# Altium PCB RevA2.PcbDoc (part 5 of 6) (continued)
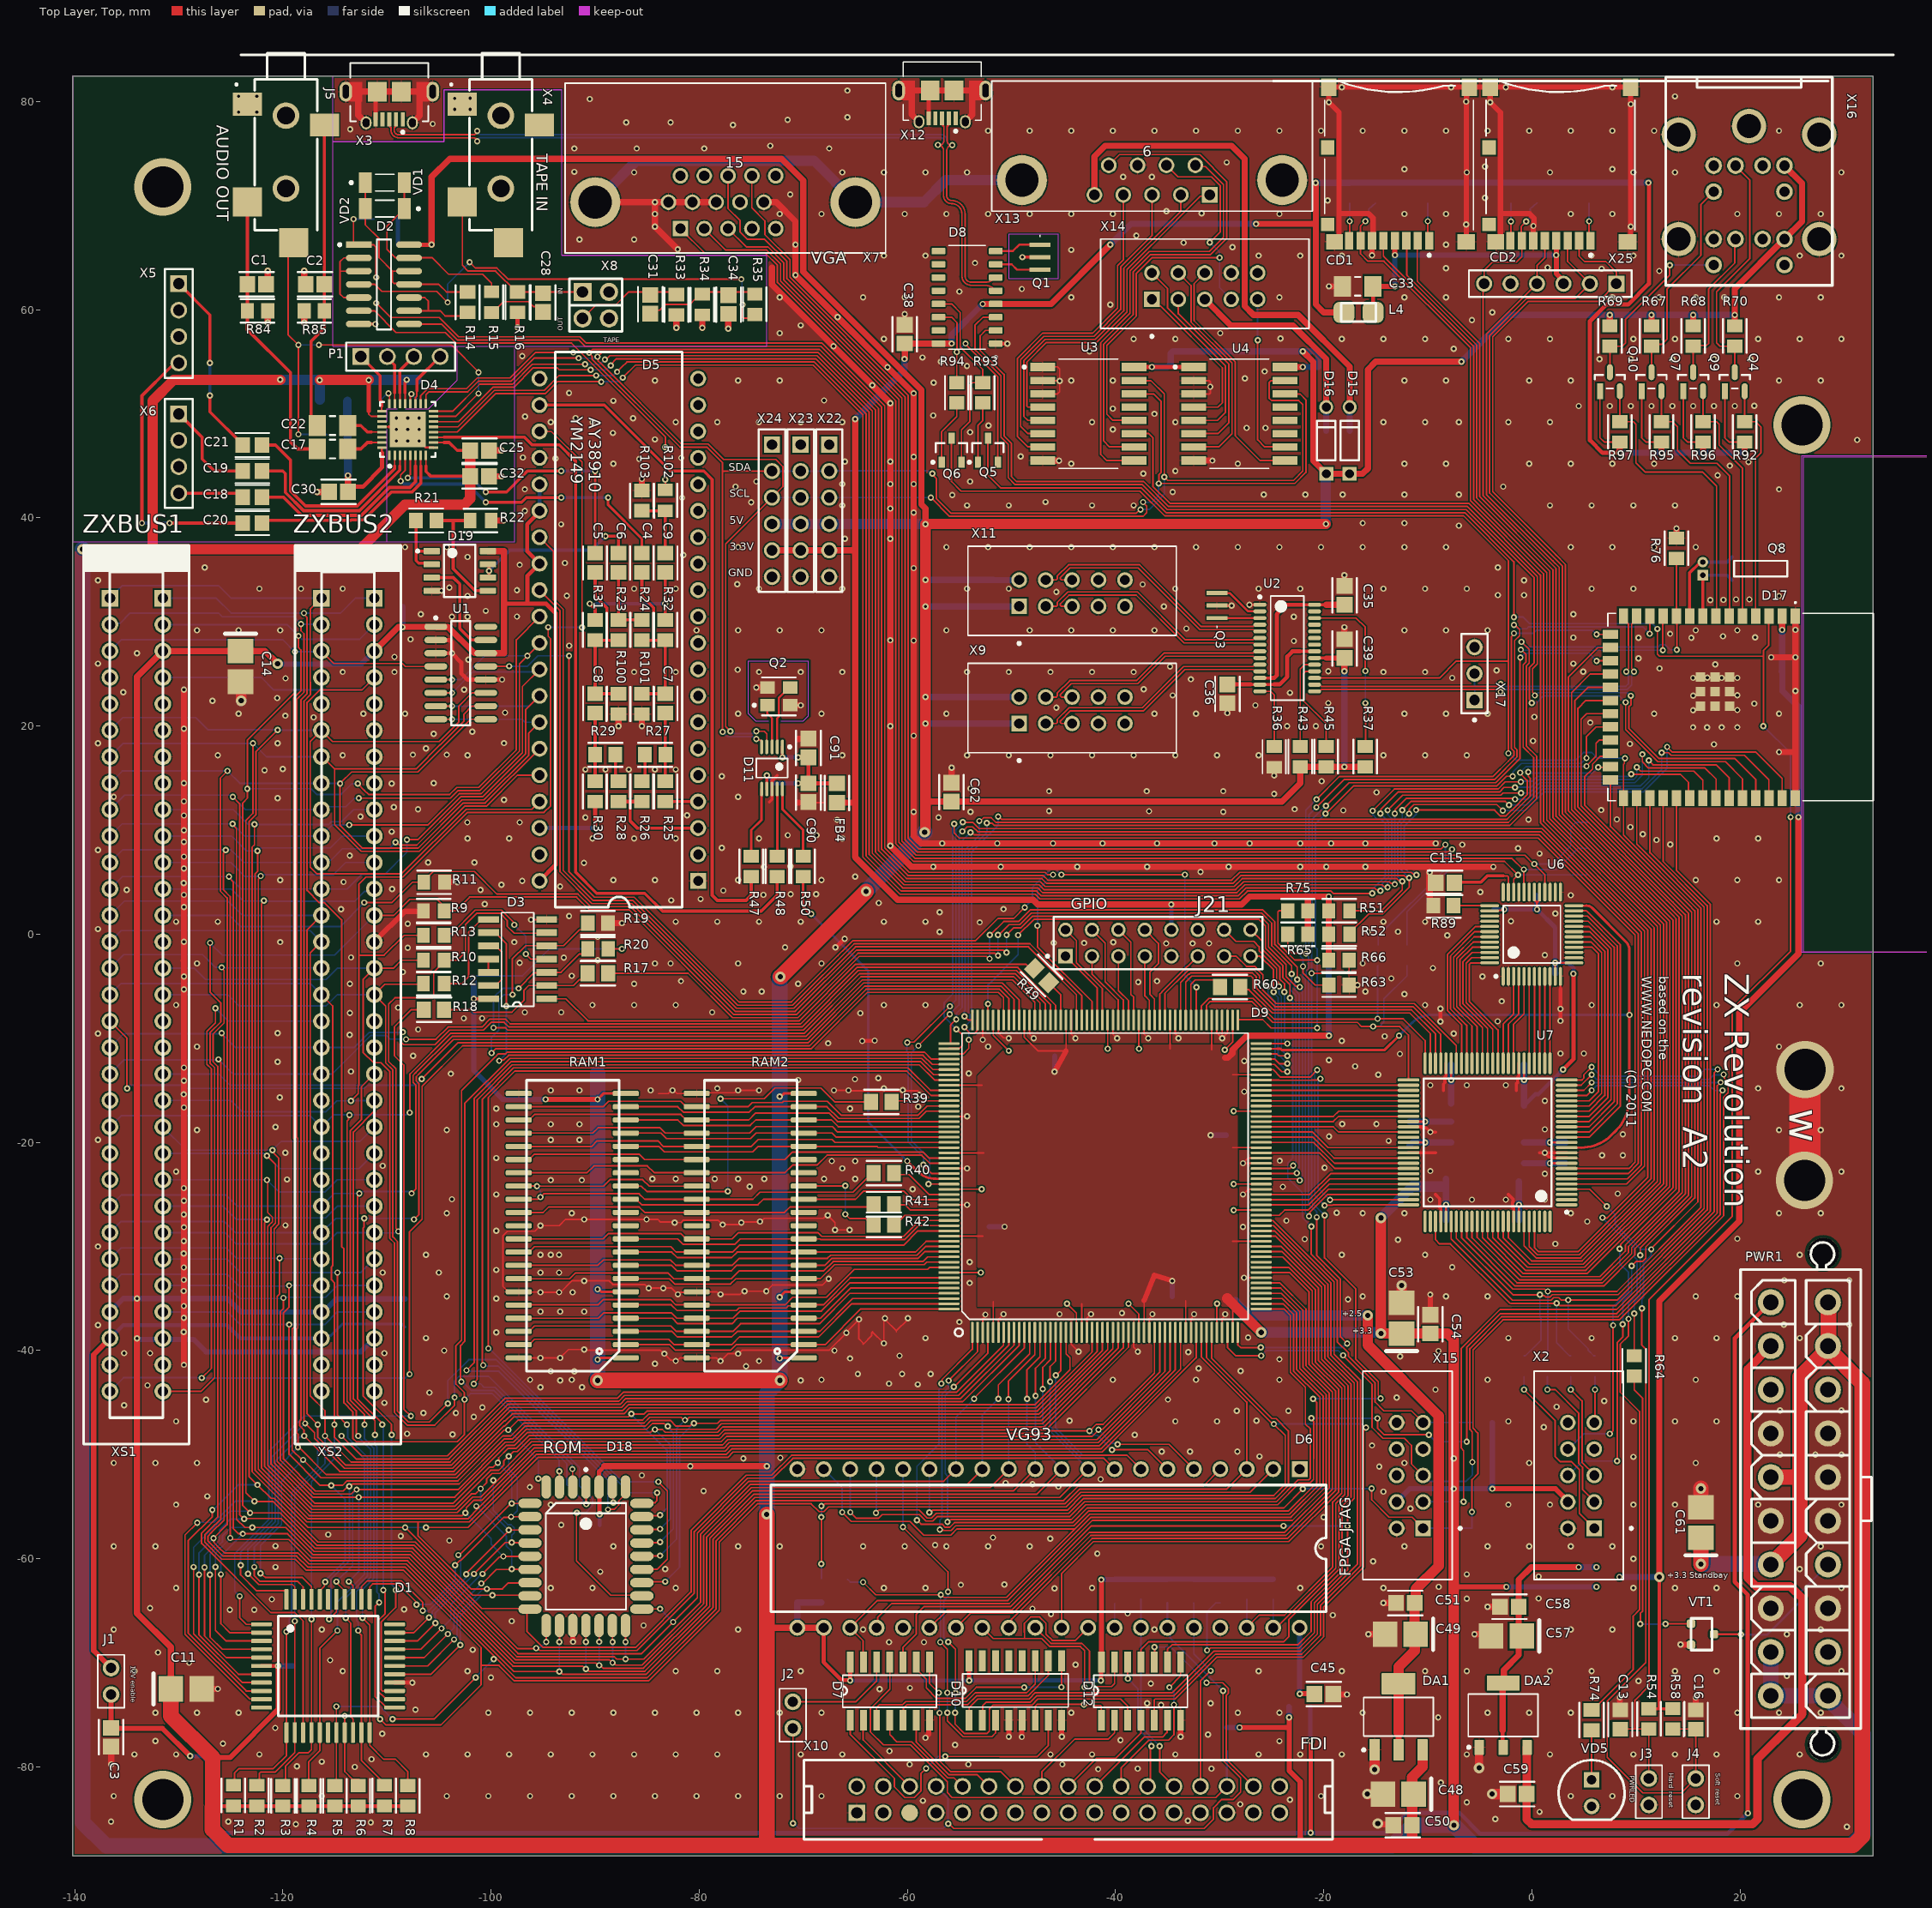
[diagram p0: Top Layer, Top view]
## Nets (pads, with @x,y where several pads share a name; then routed paths per layer and width w, separated by ;. In a path a pad name is that pad's centre, name@x,y a point inside that pad or via, vN(x,y) a via of type N, cw(c..) or ccw(c..) an arc to the next point about the centre after c; other vN are vias at no path point) (continued)
NetU2_22: U2.22
NetU2_23: U2.23
NetU2_24: U2.24
NetU2_25: U2.25
NetU2_27: U2.27
NetU4_11: U4.11
NetU4_12: U4.12
NetVD5_A: R74.2 VD5.A | length 4.8
  Top Layer, Top w0.15: VD5.A@5.75,-81.25 R74.2@5.75,-76.5
NetX2_7: X2.7
NetX9_9: X9.9
NetX9_10: X9.10
NetX11_9: X11.9
NetX11_10: X11.10
NetX14_10: X14.10
NetX15_6: X15.6
NetX15_7: X15.7
NetX15_8: X15.8
OUT_B_13: R86.2 U6.28 X7.3 | length 139.5
  Top Layer, Top w0.15: X7.3@-77.222,67.792 -75.47,66.04 -73.392,66.04 -71.875,64.523 -71.875,62.87 -60.516,51.511 -60.516,8.965 -59.15,7.6 -0.668,7.6 0.182,6.75 v2(0.245,6.75) 1.246,5.749 U6.28@1.246,4.137
  Bottom Layer, Bottom w0.15: v2(0.245,6.75) 2,6.75 3.75,8.5 3.75,10.255 4.245,10.75 R86.2@5.355,10.75
OUT_G_13: R87.2 U6.32 X7.2 | length 139.2
  Top Layer, Top w0.15: X7.2@-79.512,67.792 -77.46,65.74 -73.516,65.74 -72.175,64.399 -72.175,62.746 -60.816,51.387 -60.816,8.841 -59.275,7.3 -1.927,7.3 -0.852,6.225 v2(-0.764,6.225) ; v2@-0.757,6.218 -0.757,4.148 U6.32@-0.75,4.141
  Bottom Layer, Bottom w0.15: v2(-0.764,6.225) 2.404,6.225 4.429,8.25 R87.2@5.355,8.25
OUT_R_13: R88.2 U6.34 X7.1 | length 140.5
  Top Layer, Top w0.15: X7.1@-81.802,67.792 -79.45,65.44 -73.641,65.44 -72.475,64.275 -72.475,62.622 -61.116,51.263 -61.116,8.717 -59.399,7 -2.623,7 v2@-1.332,5.71 ; U6.34@-1.754,4.137 -1.731,4.16 -1.731,5.297 -1.332,5.695 v2@-1.332,5.71 ; v2(-1.325,5.702) v2@-1.332,5.71
  Bottom Layer, Bottom w0.15: v2(-1.325,5.702) -1.323,5.7 1.829,5.7 1.831,5.702 5.353,5.702 R88.2@5.355,5.7
P\R\G\R\S\T\_11: C13.2 D17.3 J3.0 Q5.3 R54.2 | length 211.7
  Top Layer, Top w0.15: Q5.3@-52.25,47.65 -52.25,44.088 -51.048,42.886 -37.533,42.886 -35.15,40.503 -6.433,40.503 -1.722,35.793 v1(-1.722,30.468) ; C13.2@8.5,-76.363 9.913,-76.363 ; J3.0@11.246,-81.113 R54.2@11.246,-76.364 9.913,-76.363 ; v1(12.063,29.335) 12.063,26.913 12.262,26.714 22.25,26.714 ; v1(22.25,20) 22.25,26.714 ; D17.3@22.782,30.575 22.75,30.543 22.75,27.75 22.25,27.25 22.25,26.714 ; v1(24.862,11.25) 24.862,-1.638 19.25,-7.25 19.25,-27.126 11.25,-35.126 11.25,-72.25 9.913,-73.587 9.913,-76.363
  Bottom Layer, Bottom w0.15: v1(-1.722,30.468) -0.826,30.468 -0.199,29.841 11.557,29.841 v1(12.063,29.335) ; v1(22.25,20) 24.862,17.388 v1(24.862,11.25)
PS2_KEYB_CLK_11: D17.6 Q7.2 R95.2 | length 26.4
  Top Layer, Top w0.15: Q7.2@12.45,52.18 R95.2@12.45,49.251 13.5,49.25 14,48.75 14,46.5 15.25,45.25 17.8,45.25 19,44.05 19,30.603 D17.6@18.972,30.575
PS2_KEYB_DAT_11: D17.4 Q4.2 R92.2 | length 23.1
  Top Layer, Top w0.15: Q4.2@20.45,52.18 R92.2@20.45,49.251 21.5,49.25 22,48.75 22,46.25 21.5,45.75 21.5,30.587 D17.4@21.512,30.575
PS2_MOUS_CLK_11: D17.7 Q10.2 R97.2 | length 29.5
  Top Layer, Top w0.15: Q10.2@8.45,52.18 R97.2@8.45,49.251 9.75,49.25 10,49 10,45.3 10.885,44.415 16.385,44.415 17.75,43.05 17.75,30.623 D17.7@17.702,30.575
PS2_MOUS_DAT_11: D17.5 Q9.2 R96.2 | length 23.9
  Top Layer, Top w0.15: Q9.2@16.45,52.18 R96.2@16.45,49.251 17.75,49.25 18,49 18,47 20.25,44.75 20.25,30.583 D17.5@20.242,30.575
PWRGOOD_2: PWR1.8
R\D\_1: D1.18 D6.4 D9.141 R5.2 XS1.B18 XS2.B18 | length 290.5
  Top Layer, Top w0.15: v1(-125.875,-9.499) -125.875,-9.587 -125.65,-9.812 -125.65,-56.279 -126.875,-57.504 -127.188,-57.816 -127.188,-58.3 -125.75,-59.738 -118.673,-59.738 -117.611,-60.8 -108.258,-60.8 -99.744,-69.314 ; R5.2@-115,-81.798 -114.85,-81.648 v1(-114.85,-74.2) ; v1(-109.45,-75.4) -105.463,-75.4 v1(-101.475,-71.411) ; v1(-108.459,-9.401) -108.459,-9.485 -108.688,-9.714 -108.688,-10.308 -108.381,-10.615 -105.39,-10.615 -103.988,-9.213 -100.738,-9.213 -99.979,-8.454 -98.733,-8.454 -98.274,-8.913 -70.134,-8.913 -64.704,-3.483 -49.514,-3.483 -46.25,-6.748 D9.141@-46.25,-8.25 ; v1(-99.744,-69.632) -99.744,-69.314 ; D6.4@-29.95,-51.4 -29.95,-51.41 -31.558,-53.018 -43.582,-53.018 -44.977,-54.413 -74.519,-54.413 -78.374,-58.268 -78.374,-64.817 -84.992,-71.436 -97.622,-71.436 -99.744,-69.314
  Bottom Layer, Bottom w0.15: XS1.B18@-136.985,-11.265 -135.267,-9.547 -125.923,-9.547 v1(-125.875,-9.499) ; v1@-125.875,-9.547 -124.532,-10.89 XS2.B18@-116.29,-10.89 -113.154,-10.89 -111.689,-9.425 -108.483,-9.425 v1(-108.459,-9.401) ; v1(-114.85,-74.2) -110.65,-74.2 v1(-109.45,-75.4) ; v1(-101.475,-71.411) -101.475,-71.387 -99.744,-69.656 v1(-99.744,-69.632)
R\D\A\T\_5: D7.11 R44.1 X10.30 | length 48.9
  Top Layer, Top w0.15: D7.11@-61.75,-69.862 D7.11@-61.68,-69.932 -61.68,-72.536 -63.55,-74.406 -63.55,-76.634 -62.303,-77.881 -61.129,-77.881 -61.124,-77.886 -59.698,-77.886 -56.16,-81.424 -56.16,-82.47 -55.685,-82.945 -30.37,-82.945 -29.573,-82.148 X10.30@-29.115,-82.148
  Bottom Layer, Bottom w0.2: X10.30@-29.295,-81.87 R44.1@-29.295,-78.5
R\D\A\T\_\B\: D7.10 R46.2 | length 111.1
  Top Layer, Top w0.15: D7.10@-60.41,-69.932 -60.41,-68.5 -59.15,-67.24 -59.15,-65.353 -58.403,-64.606 -50.079,-64.606 -49.973,-64.5 -42.316,-56.843 v1(-23.858,-56.843) ; v1(-31.204,-68.792) -31.082,-68.792 -30.857,-68.567 -22.356,-68.567 -20.898,-67.109 -20.898,-64.258 -17.704,-61.065 v1(-17.704,-56.881) -17.704,-54.826 -17.059,-54.181 -17.059,-43.121 -19.595,-40.586 -19.595,-33.63 -24.725,-28.5 -26,-28.5
  Bottom Layer, Bottom w0.15: v1(-31.204,-68.792) -31.204,-65.075 -30.609,-64.48 -30.379,-64.25 R46.2@-29.93,-64.25 ; v1(-23.858,-56.843) -23.839,-56.862 -17.723,-56.862 v1(-17.704,-56.881)
R\D\A\T\_\B\_1: D9.68
R\D\R\O\M\_1: D18.22 R10.1 XS1.A15 XS2.A15 | length 114.9
  Top Layer, Top w0.15: R10.1@-106.5,-2.5 -108.616,-2.5 -109.386,-3.27 XS2.A15@-111.21,-3.27 -112.285,-4.345 -112.285,-11.335 -111.274,-12.346 -110.565,-12.346 -109.73,-13.181 -109.73,-29.206 -109.275,-29.662 -109.275,-45.952 -108.062,-47.165 -105.402,-47.165 -103.5,-45.263 v1(-103.5,-44.5) ; v1(-91.75,-55.581) -91.789,-55.62 -91.789,-60.211 -88.5,-63.5 D18.22@-85.15,-63.5
  Bottom Layer, Bottom w0.15: XS1.A15@-131.53,-3.27 -128.5,-3.27 -127.425,-4.345 -115.845,-4.345 -114.77,-3.27 XS2.A15@-111.21,-3.27 ; v1(-103.5,-44.5) -103.5,-42.907 -103.067,-42.475 -100.245,-42.475 -91.5,-51.22 -91.5,-53 -90.25,-54.25 -90.25,-54.9 -90.931,-55.581 v1(-91.75,-55.581)
R\E\S\_1: D1.23 D5.23 R13.2 XS1.A20 XS2.A20 | length 174.1
  Top Layer, Top w0.15: v1(-113.45,-16) -112.75,-15.3 -112.75,-14.545 -112.698,-14.494 -112.698,-2.052 ; XS2.A20@-111.21,-15.97 -111.215,-15.975 -111.215,-16.995 -113.225,-19.004 -113.225,-44.649 -111.15,-46.724 v1(-111.15,-48.1) ; v1(-110.75,-64.2) -111.138,-64.588 -111.138,-73.212 -110.05,-74.3 D1.23@-109.25,-74.3 D1.23@-109.237,-74.312 ; R13.2@-106.644,-0.1 -108.35,-0.1 -110.265,-2.015 -112.662,-2.015 -112.698,-2.052 ; D5.23@-95.335,48.305 -94.195,48.305 -91.247,45.358 v1(-91.247,29.479) ; v1(-94.51,29.499) -94.51,28.627 -94.266,28.383 -94.266,12.348 -94.905,11.708 -102.265,11.708 -108.473,5.5 -112,5.5 -112.698,4.802 -112.698,-2.052
  Bottom Layer, Bottom w0.15: XS1.A20@-131.53,-15.97 -124.994,-15.97 -123.919,-17.045 -115.845,-17.045 -114.8,-16 v1(-113.45,-16) -113.435,-15.985 -111.225,-15.985 XS2.A20@-111.21,-15.97 ; v1(-111.15,-48.1) -111.15,-49.051 -110.963,-49.238 -110.963,-63.199 -110.75,-63.413 v1(-110.75,-64.2) ; v1(-94.51,29.499) -94.5,29.489 -91.257,29.489 v1(-91.247,29.479)
R\F\S\H\_1: D1.25 D9.147 XS1.B25 XS2.B25 | length 157.9
  Top Layer, Top w0.15: v1(-112.186,-27.287) -112.186,-28.126 -112.285,-28.224 -112.285,-44.355 -109.55,-47.09 v1(-109.55,-48.1) ; D1.25@-109.25,-72.7 -110.45,-72.7 -110.538,-72.612 -110.538,-66.057 -109.15,-64.669 v1(-109.15,-63) ; v1(-107.389,-27.392) -106.922,-26.925 -106.922,-14.366 -107.175,-14.114 -107.175,-13.679 -106.922,-13.426 -106.922,-13.421 -103.615,-10.113 -69.637,-10.113 -64.207,-4.683 -50.886,-4.683 -49.25,-6.32 D9.147@-49.25,-8.25
  Bottom Layer, Bottom w0.15: XS1.B25@-136.838,-28.898 -135.535,-27.595 -125.655,-27.595 -124.58,-28.67 XS2.B25@-116.29,-28.67 -114.907,-27.287 -107.617,-27.287 -107.511,-27.392 v1(-107.389,-27.392) ; v1(-109.55,-48.1) -109.55,-62.485 -109.15,-62.885 v1(-109.15,-63)
R\L\C\A\S\_1: R41.2 RAM1.31 RAM2.31 | length 34.7
  Top Layer, Top w0.15: RAM1.31@-97.337,-26.73 -94.98,-26.73 -94.455,-26.205 -85.759,-26.205 -85.234,-26.73 RAM2.31@-80.237,-26.73 -71.795,-26.73 -71.27,-26.205 -64.304,-26.205 -63.837,-26.205 -63.65,-26.018 R41.2@-63.65,-25.7
R\O\M\O\E\_1: D9.167 D18.24 | length 102.7
  Top Layer, Top w0.15: v1(-100.25,-39.8) -100.25,-15.684 -97.707,-13.141 -60.058,-13.141 -57.7,-15.5 D9.167@-56,-15.5 ; D18.24@-85.505,-61.03 -85.475,-61 -84,-61 -83.05,-60.05 -83.05,-53.488 v1(-83.925,-52.613)
  Bottom Layer, Bottom w0.15: v1(-100.25,-39.8) -100.145,-39.8 -87.331,-52.613 v1(-83.925,-52.613)
R\O\M\P\G\0\_1: D3.9 D9.161 | length 57.5
  Top Layer, Top w0.15: D3.9@-100.238,0.15 -99.563,0.15 -98.529,-0.883 v1(-98.529,-6.895) ; v1(-99.213,-12.156) -99.127,-12.07 -98.908,-12.07 -98.901,-12.062 -98.749,-12.062 -98.313,-11.626 -58.484,-11.626 -57.61,-12.5 D9.161@-56,-12.5
  Bottom Layer, Bottom w0.15: v1(-99.213,-12.156) -98.529,-11.472 v1(-98.529,-6.895)
R\O\M\W\E\_1: D9.166 D18.31 | length 93.5
  Top Layer, Top w0.15: v1(-100.75,-41.4) -100.825,-41.325 -100.825,-15.835 -97.832,-12.841 -59.934,-12.841 -57.776,-15 D9.166@-56,-15 ; D18.31@-88.31,-52.842 -88.282,-52.87 -88.282,-54.585 v1(-88.254,-54.613)
  Bottom Layer, Bottom w0.15: v1(-100.75,-41.4) -100.668,-41.482 -99.311,-41.482 -88.254,-52.539 v1(-88.254,-54.613)
R\R\A\S\0\_1: R42.2 RAM2.14 | length 9.7
  Top Layer, Top w0.15: RAM2.14@-69.95,-24.19 -69.937,-24.177 -65.973,-24.177 v1(-65.96,-24.164) ; v1(-65.95,-26.9) -65.525,-27.325 -64,-27.325 -63.65,-27.675 R42.2@-63.65,-28
  Bottom Layer, Bottom w0.15: v1(-65.96,-24.164) -65.955,-24.17 -65.955,-26.895 v1(-65.95,-26.9)
R\R\A\S\1\_1: R39.2 RAM1.14 | length 34.4
  Top Layer, Top w0.15: RAM1.14@-87.05,-24.19 -87.04,-24.2 -85.55,-24.2 -85.035,-24.715 -77.265,-24.715 v1(-77.25,-24.7) ; v1(-77.95,-15.8) -73.756,-15.8 -72.731,-14.775 -68.31,-14.775 -66.985,-16.1 R39.2@-63.75,-16.1
  Bottom Layer, Bottom w0.15: v1(-77.95,-15.8) -77.25,-16.5 v1(-77.25,-24.7)
R\U\C\A\S\_1: R40.2 RAM1.29 RAM1.30 RAM2.29 RAM2.30 | length 54.3
  Top Layer, Top w0.15: RAM1.30@-97.337,-25.46 -95.46,-25.46 v1(-95.25,-25.25) -94.935,-24.935 -85.759,-24.935 -85.234,-25.46 RAM2.30@-80.237,-25.46 -74.834,-25.46 -74.149,-24.775 -65.2,-24.775 -63.65,-23.225 R40.2@-63.65,-22.9 ; RAM1.29@-97.337,-24.19 -97.332,-24.195 -95.255,-24.195 -95.25,-24.2 -89.2,-24.2 -88.575,-23.575 -85.425,-23.575 -84.8,-24.2 -80.25,-24.2 RAM2.29@-80.136,-24.086
  Bottom Layer, Bottom w0.15: v1(-95.591,-24.202) -95.591,-24.262 -95.25,-24.603 v1(-95.25,-25.25)
R\W\E\_1: D9.187 RAM1.13 RAM2.13 | length 32.2
  Top Layer, Top w0.15: RAM1.13@-87.05,-25.46 -86.05,-25.46 -85.525,-25.985 -74.346,-25.985 -73.821,-25.46 RAM2.13@-69.95,-25.46 -64.974,-25.46 -64.189,-24.675 -60.361,-24.675 -59.536,-25.5 D9.187@-56,-25.5
RA0: D9.177 RAM1.17 RAM2.17 | length 31.5
  Top Layer, Top w0.15: RAM1.17@-87.05,-20.38 -87.03,-20.4 -83.85,-20.4 -83.345,-20.905 -74.855,-20.905 -74.35,-20.4 -69.97,-20.4 RAM2.17@-69.95,-20.38 -69.93,-20.4 -62.902,-20.4 -62.802,-20.5 D9.177@-56,-20.5
RA1: D9.175 RAM1.18 RAM2.18 | length 31.7
  Top Layer, Top w0.15: RAM1.18@-87.05,-19.11 -87.04,-19.1 -83.674,-19.1 -83.139,-19.635 -75.061,-19.635 -74.526,-19.1 -69.96,-19.1 RAM2.18@-69.95,-19.11 -69.94,-19.1 -67.22,-19.1 -66.82,-19.5 D9.175@-56,-19.5
RA2: D9.173 RAM1.19 RAM2.19 | length 31.8
  Top Layer, Top w0.15: RAM1.19@-87.05,-17.84 -82.052,-17.84 -81.527,-18.365 -75.091,-18.365 -74.566,-17.84 RAM2.19@-69.95,-17.84 -67.291,-17.84 -66.631,-18.5 D9.173@-56,-18.5
RA3: D9.170 RAM1.20 RAM2.20 | length 32.2
  Top Layer, Top w0.15: RAM1.20@-87.05,-16.57 -82.052,-16.57 -81.527,-17.095 -75.178,-17.095 -74.653,-16.57 RAM2.20@-69.95,-16.57 -67.713,-16.57 -66.583,-17.7 -58.859,-17.7 -58.159,-17 D9.170@-56,-17
RA4: D9.169 RAM1.23 RAM2.23 | length 42.9
  Top Layer, Top w0.15: RAM1.23@-97.337,-16.57 -89.226,-16.57 -88.701,-16.045 -81.762,-16.045 -81.237,-16.57 RAM2.23@-80.237,-16.57 -75.307,-16.57 -74.912,-16.175 -72.016,-16.175 -71.886,-16.045 -67.676,-16.045 -66.321,-17.4 -58.983,-17.4 -58.083,-16.5 D9.169@-56,-16.5
RA5: D9.172 RAM1.24 RAM2.24 | length 42.4
  Top Layer, Top w0.15: RAM1.24@-97.337,-17.84 -96.337,-17.84 -95.812,-17.315 -81.762,-17.315 -81.237,-17.84 RAM2.24@-80.237,-17.84 -75.235,-17.84 -74.564,-17.169 -67.538,-17.169 -66.707,-18 D9.172@-56,-18
RA6: D9.174 RAM1.25 RAM2.25 | length 42.2
  Top Layer, Top w0.15: RAM1.25@-97.337,-19.11 -97.327,-19.1 -90.223,-19.1 -89.708,-18.585 -83.765,-18.585 -83.25,-19.1 -80.247,-19.1 RAM2.25@-80.237,-19.11 -80.227,-19.1 -75.13,-19.1 -74.512,-18.482 -67.202,-18.482 -66.684,-19 D9.174@-56,-19
RA7: D9.176 RAM1.26 RAM2.26 | length 42.2
  Top Layer, Top w0.15: RAM1.26@-97.337,-20.38 -97.317,-20.4 -90.341,-20.4 -89.796,-19.855 -83.971,-19.855 -83.426,-20.4 -80.257,-20.4 RAM2.26@-80.237,-20.38 -80.217,-20.4 -75.024,-20.4 -74.336,-19.711 -67.225,-19.711 -66.936,-20 D9.176@-56,-20
RA8: D9.179 RAM1.27 RAM2.27 | length 42.3
  Top Layer, Top w0.15: RAM1.27@-97.337,-21.65 -96.337,-21.65 -95.812,-21.125 -85.759,-21.125 -85.234,-21.65 RAM2.27@-80.237,-21.65 -71.765,-21.65 -71.04,-20.925 -58.487,-20.925 -57.912,-21.5 D9.179@-56,-21.5
RA9: D9.180 RAM1.28 RAM2.28 | length 42.9
  Top Layer, Top w0.15: RAM1.28@-97.337,-22.92 -97.317,-22.9 -90.756,-22.9 -90.111,-22.255 -84.982,-22.255 -84.337,-22.9 -80.257,-22.9 RAM2.28@-80.237,-22.92 -80.217,-22.9 -71.745,-22.9 -71.02,-22.175 -68.659,-22.175 -67.709,-21.225 -58.612,-21.225 -57.837,-22 D9.180@-56,-22
RD0: D9.208 RAM1.2 RAM2.2 | length 32.9
  Top Layer, Top w0.15: RAM1.2@-87.05,-39.43 -82.82,-39.43 -82.295,-39.955 -76.97,-39.955 -76.445,-39.43 RAM2.2@-69.95,-39.43 -67.893,-39.43 -64.463,-36 D9.208@-56,-36
RD1: D9.206 RAM1.3 RAM2.3 | length 32.8
  Top Layer, Top w0.15: RAM1.3@-87.05,-38.16 -82.614,-38.16 -82.089,-38.685 -76.868,-38.685 -76.343,-38.16 RAM2.3@-69.95,-38.16 -68.41,-38.16 -65.25,-35 D9.206@-56,-35
RD2: D9.204 RAM1.4 RAM2.4 | length 32.7
  Top Layer, Top w0.15: RAM1.4@-87.05,-36.89 -87.04,-36.9 -82.574,-36.9 -82.059,-37.415 -76.848,-37.415 -76.333,-36.9 -69.96,-36.9 RAM2.4@-69.95,-36.89 -69.94,-36.9 -68.35,-36.9 -65.45,-34 D9.204@-56,-34
RD3: D9.202 RAM1.5 RAM2.5 | length 32.6
  Top Layer, Top w0.15: RAM1.5@-87.05,-35.62 -87.03,-35.6 -82.674,-35.6 -82.129,-36.145 -76.426,-36.145 -76.181,-35.9 -71.621,-35.9 -71.425,-35.703 -70.033,-35.703 RAM2.5@-69.95,-35.62 -69.93,-35.6 -68.074,-35.6 -65.474,-33 D9.202@-56,-33
RD4: D9.199 RAM1.7 RAM2.7 | length 32.1
  Top Layer, Top w0.15: RAM1.7@-87.05,-33.08 -87.03,-33.1 -82.85,-33.1 -82.345,-33.605 -76.985,-33.605 -76.48,-33.1 -69.97,-33.1 RAM2.7@-69.95,-33.08 -68.343,-33.08 -67.003,-31.74 -58.369,-31.74 -58.129,-31.5 D9.199@-56,-31.5
RD5: D9.197 RAM1.8 RAM2.8 | length 32
  Top Layer, Top w0.15: RAM1.8@-87.05,-31.81 -87.04,-31.8 -82.674,-31.8 -82.139,-32.335 -76.898,-32.335 -76.363,-31.8 -69.96,-31.8 RAM2.8@-69.95,-31.81 ; RAM2.8@-69.95,-31.8 -67.912,-31.8 -67.252,-31.14 -58.969,-31.14 -58.329,-30.5 D9.197@-56,-30.5
RD6: D9.195 RAM1.9 RAM2.9 | length 31.9
  Top Layer, Top w0.15: RAM1.9@-87.05,-30.54 -82.634,-30.54 -82.109,-31.065 -76.878,-31.065 -76.353,-30.54 RAM2.9@-69.95,-30.54 -59.223,-30.54 -58.183,-29.5 D9.195@-56,-29.5
RD7: D9.192 RAM1.10 RAM2.10 | length 31.9
  Top Layer, Top w0.15: RAM1.10@-87.05,-29.27 -82.052,-29.27 -81.527,-29.795 -76.587,-29.795 -76.062,-29.27 RAM2.10@-69.95,-29.27 ; RAM2.10@-69.89,-29.27 -68.404,-29.27 -68.349,-29.325 -60.237,-29.325 -58.912,-28 D9.192@-56.05,-28
RD8: D9.191 RAM1.33 RAM2.33 | length 42.8
  Top Layer, Top w0.15: RAM1.33@-97.337,-29.27 -89.226,-29.27 -88.701,-28.745 -81.762,-28.745 -81.237,-29.27 RAM2.33@-80.237,-29.27 -76.838,-29.27 -76.247,-28.679 -68.571,-28.679 -68.225,-29.025 -60.361,-29.025 -58.836,-27.5 D9.191@-56,-27.5
RD9: D9.193 RAM1.34 RAM2.34 | length 42.6
  Top Layer, Top w0.15: RAM1.34@-97.337,-30.54 -96.337,-30.54 -95.812,-30.015 -82.735,-30.015 -82.21,-30.54 RAM2.34@-80.237,-30.54 -76.777,-30.54 -76.118,-29.881 -60.369,-29.881 -58.987,-28.5 D9.193@-56,-28.5
RD10: D9.196 RAM1.35 RAM2.35 | length 42.5
  Top Layer, Top w0.15: RAM1.35@-97.337,-31.81 -97.327,-31.8 -89.723,-31.8 -89.208,-31.285 -82.765,-31.285 -82.25,-31.8 -80.247,-31.8 RAM2.35@-80.237,-31.81 -80.227,-31.8 -76.787,-31.8 -76.126,-31.139 -67.675,-31.139 -67.376,-30.84 -59.093,-30.84 -58.253,-30 D9.196@-56,-30
RD11: D9.198 RAM1.36 RAM2.36 | length 42.7
  Top Layer, Top w0.15: RAM1.36@-97.337,-33.08 -97.317,-33.1 -92.452,-33.1 -91.907,-32.555 -82.971,-32.555 -82.426,-33.1 -80.257,-33.1 RAM2.36@-80.237,-33.08 ; RAM2.36@-80.217,-33.1 -76.905,-33.1 -76.14,-32.335 -68.022,-32.335 -67.127,-31.44 -58.493,-31.44 -58.053,-31 D9.198@-56,-31
RD12: D9.200 RAM1.38 RAM2.38 | length 43.3
  Top Layer, Top w0.15: RAM1.38@-97.337,-35.62 -97.317,-35.6 -89.713,-35.6 -89.208,-35.095 -82.755,-35.095 -82.25,-35.6 -80.257,-35.6 RAM2.38@-80.237,-35.62 -80.217,-35.6 -71.745,-35.6 -71.02,-34.875 -67.773,-34.875 -65.098,-32.2 -58.053,-32.2 -57.853,-32 D9.200@-56,-32
RD13: D9.203 RAM1.39 RAM2.39 | length 43.2
  Top Layer, Top w0.15: RAM1.39@-97.337,-36.89 -97.327,-36.9 -89.693,-36.9 -89.158,-36.365 -82.685,-36.365 -82.15,-36.9 -80.247,-36.9 RAM2.39@-80.237,-36.89 -80.227,-36.9 -76.757,-36.9 -76.057,-36.2 -68.25,-36.2 -65.55,-33.5 D9.203@-56,-33.5
RD14: D9.205 RAM1.40 RAM2.40 | length 43.3
  Top Layer, Top w0.15: RAM1.40@-97.337,-38.16 -96.337,-38.16 -95.812,-37.635 -82.715,-37.635 -82.19,-38.16 RAM2.40@-80.237,-38.16 -76.767,-38.16 -76.022,-37.415 -68.441,-37.415 -65.526,-34.5 D9.205@-56,-34.5
RD15: D9.207 RAM1.41 RAM2.41 | length 43.4
  Top Layer, Top w0.15: RAM1.41@-97.337,-39.43 -96.337,-39.43 -95.812,-38.905 -82.921,-38.905 -82.396,-39.43 RAM2.41@-80.237,-39.43 -76.87,-39.43 -76.125,-38.685 -68.511,-38.685 -65.326,-35.5 D9.207@-56,-35.5
RES_1: D3.3 D9.142 R20.1 | length 71.8
  Top Layer, Top w0.15: v1(-99.762,-8.979) -98.632,-8.979 -98.398,-9.213 -70.01,-9.213 -64.58,-3.783 -49.639,-3.783 -46.75,-6.672 D9.142@-46.75,-8.25 ; v1(-97.35,-5.2) -95.85,-3.7 -94.69,-3.7 D3.3@-94.65,-3.66 -93.26,-3.66 -91.492,-1.892 -91.28,-1.892 -91.144,-1.756 R20.1@-91.144,-1.4
  Bottom Layer, Bottom w0.15: v1(-99.762,-8.979) -99.762,-6.097 -98.865,-5.2 v1(-97.35,-5.2)
RI_TTL: D8.11
right_ch1_3: C5.1 C8.2 R23.2 R31.1 R100.1 | length 16.6
  Top Layer, Top w0.3: C5.1@-90,34.75 -90,32.5 -88.875,31.375 -88.875,28.25 ; R100.1@-87.75,23.102 C8.2@-90,23.102 R31.1@-90,28.25 -88.875,28.25 ; R23.2@-87.75,28.25 -88.875,28.25
right_ch2_3: C18.2 D4.6 | length 19.4
  Top Layer, Top w0.15: -107.25,45 D4.6@-107.25,46.025
  Top Layer, Top w0.3: C18.2@-122,42 -119.947,42 -118.197,40.25 -112.455,40.25 -109.777,42.928 -107.794,42.928 -107.25,43.471 -107.25,45
right_ch3_3: C20.2 D4.7 | length 19.5
  Top Layer, Top w0.15: -106.75,45 D4.7@-106.75,46.025
  Top Layer, Top w0.3: C20.2@-122,39.5 -121.721,39.779 -113.449,39.779 -113.428,39.8 -112.268,39.8 -109.591,42.478 -107.606,42.478 -106.75,43.334 -106.75,45
ROMPG2: D9.164 D18.2 | length 89.3
  Top Layer, Top w0.15: v1(-101.65,-43.2) -101.65,-43.107 -101.325,-42.782 -101.325,-15.91 -97.956,-12.541 -58.85,-12.541 -57.392,-14 D9.164@-56,-14 ; v1(-92.178,-51.379) -92.164,-51.393 -92.164,-52.798 D18.2@-92.138,-52.824
  Bottom Layer, Bottom w0.15: v1(-101.65,-43.2) -100.992,-43.2 -100.667,-43.525 -99.619,-43.525 -92.193,-50.951 -92.193,-51.365 v1(-92.178,-51.379)
ROMPG3: D9.163 D18.30 | length 98.3
  Top Layer, Top w0.15: v1(-102.35,-41.9) -101.625,-41.175 -101.625,-15.786 -98.064,-12.226 -58.732,-12.226 -57.458,-13.5 D9.163@-56,-13.5 ; v1(-88.755,-55.28) -88.732,-55.257 -88.155,-55.257 -87.729,-54.831 -87.729,-54.444 -87.056,-53.771 D18.30@-87.056,-52.858
  Bottom Layer, Bottom w0.15: v1(-102.35,-41.9) -102.275,-41.975 -101.353,-41.975 -101.344,-41.983 -99.234,-41.983 -88.779,-52.439 -88.779,-55.256 v1(-88.755,-55.28)
ROMPG4: D9.162 D18.1 | length 95.7
  Top Layer, Top w0.15: v1(-102.85,-43) -102.925,-42.925 -102.925,-39.514 -102.525,-39.114 -102.525,-16.262 -98.189,-11.926 -58.608,-11.926 -57.534,-13 D9.162@-56,-13 ; v1(-90.85,-54.75) -90.865,-54.735 -90.865,-52.857 D18.1@-90.85,-52.842
  Bottom Layer, Bottom w0.15: v1(-102.85,-43) -102.75,-43 -101.925,-43.825 -99.744,-43.825 -92.713,-50.855 -92.713,-52.887 v1(-90.85,-54.75)
ROUT_3: C22.1 D4.29 | length 3.5
  Top Layer, Top w0.15: -111.5,48.25 D4.29@-110.475,48.25
  Top Layer, Top w0.3: C22.1@-113.75,48.875 -112.5,48.875 -111.875,48.25 -111.5,48.25
RS_1: D18.29 R12.2 XS1.A16 XS2.A16 | length 103.5
  Top Layer, Top w0.15: R12.2@-106.65,-4.8 -110.2,-4.8 XS2.A16@-111.21,-5.81 -110.125,-6.895 -110.125,-12.362 -109.43,-13.057 -109.43,-29.082 -108.975,-29.537 -108.975,-45.828 -107.938,-46.865 -105.915,-46.865 v1(-104.15,-45.1) ; D18.29@-85.135,-54.62 -84.238,-54.62 -84.067,-54.449 -84.067,-53.671 v1(-84.05,-53.653)
  Bottom Layer, Bottom w0.15: XS1.A16@-131.53,-5.81 -125.29,-5.81 -124.215,-6.885 -115.845,-6.885 -114.77,-5.81 XS2.A16@-111.21,-5.81 ; v1(-104.15,-45.1) -104.15,-42.887 -102.138,-40.875 -99.494,-40.875 -90.25,-50.119 -86.715,-53.653 v1(-84.05,-53.653)
RTS: D8.14 Q5.2 R94.2 | length 21.6
  Top Layer, Top w0.15: D8.14@-57.004,59.287 -55.755,59.287 -55.225,58.757 -55.225,55.953 v1(-55.242,55.936) -55.242,53.008 R94.2@-55.25,53 ; v1(-54.4,56.755) -54.4,56.645 -51.3,53.546 Q5.2@-51.3,45.35
  Bottom Layer, Bottom w0.15: v1(-55.242,55.936) -55.231,55.936 -54.411,56.755 v1(-54.4,56.755)
S\D\0\_\S\S\E\L\_12: CD1.2 U7.92 | length 120.4
  Top Layer, Top w0.15: CD1.2@-11.004,66.637 -11.004,62.803 ccw(c-10.854,62.803) -10.96,62.697 -4.997,56.734 -4.997,42.037 2.029,35.011 2.029,11.215 12.358,0.886 12.358,-23.865 4.827,-31.395 -0.017,-31.395 -2.25,-29.162 U7.92@-2.25,-27.6
S\D\1\_\S\S\E\L\_12: CD2.2 U7.88 X25.1 | length 133.9
  Top Layer, Top w0.15: U7.88@-4.25,-27.6 -4.25,-29.162 -0.817,-32.595 5.324,-32.595 13.558,-24.362 13.558,1.383 3.229,11.712 3.229,35.522 2.329,36.422 2.329,36.43 -3.757,42.517 -3.757,57.394 -0.358,60.793 6.413,60.793 X25.1@8.12,62.5 8.12,63.63 7.116,64.634 5.055,64.634 4.546,65.143 CD2.2@4.546,66.627
S\I\D\E\_5: D12.10 X10.32 | length 20.1
  Top Layer, Top w0.15: D12.10@-36.25,-69.227 -36.249,-69.226 v1(-36.249,-68.492) ; v1(-31.25,-71.913) -29.698,-71.913 -29.141,-72.47 -29.141,-72.905 -29.366,-73.13 -29.366,-79.258 X10.32@-26.755,-81.87
  Bottom Layer, Bottom w0.15: v1(-36.249,-68.492) -34.671,-68.492 v1(-31.25,-71.913)
S\O\F\T\R\S\T\_1: C16.2 D17.27 J4.0 Q6.3 R58.2 U2.17 U7.4 | length 242.2
  Top Layer, Top w0.15: Q6.3@-55.75,47.65 -55.75,43.5 -54.828,42.578 -37.649,42.578 -35.274,40.203 -6.557,40.203 -2.252,35.898 -2.252,26.25 ; U2.17@-20.875,24.62 -8.88,24.62 -7.25,26.25 -2.252,26.25 ; v1(-2.252,17.381) -2.252,26.25 ; U7.4@3.35,-24.5 5.572,-24.5 v1(7.212,-26.139) ; v1(8.958,16.918) 8.887,16.847 8.887,16.393 8.812,16.318 D17.27@8.812,13.075 8.812,9.523 15.958,2.377 15.958,-25.709 11.474,-30.192 v1(11.474,-30.274) ; v1(10.574,-35.941) 10.571,-35.944 10.571,-39.482 10.95,-39.861 10.95,-69.964 7.25,-73.664 7.25,-79.069 10.681,-82.5 14.359,-82.5 J4.0@15.746,-81.113 C16.2@15.746,-76.363 13.543,-76.363 R58.2@13.54,-76.361
  Bottom Layer, Bottom w0.15: v1(-2.252,17.381) -2.166,17.381 -1.499,16.713 4.213,16.713 4.964,17.464 5.75,17.464 6.296,16.918 v1(8.958,16.918) ; v1(7.212,-26.139) 8,-26.928 8,-27.826 10.449,-30.274 11.292,-30.274 v1@11.474,-30.457 ; v1(10.574,-35.941) 10.578,-35.937 10.578,-35.074 10.717,-34.935 10.717,-31.603 11.464,-30.857 11.464,-30.446 v1@11.474,-30.457 ; v1(11.474,-30.274) v1@11.474,-30.457
S\P\I\_\S\L\A\V\E\_\I\R\Q\_1: D9.159 D17.25 | length 88.4
  Top Layer, Top w0.15: D9.159@-56,-11.5 -54.641,-11.5 -54.1,-10.959 v1(-54.1,-10.134) ; v2(-51.278,11.306) -51.221,11.306 -50.965,11.05 -2.376,11.05 -0.15,13.276 -0.15,14.985 -0.328,15.162 -0.328,15.565 v1(-0.348,15.585) ; v1(6.386,16.04) 7.492,16.04 D17.25@7.562,16.11
  Bottom Layer, Bottom w0.15: v1(-54.1,-10.134) -54.1,-9.252 -53.689,-8.841 -53.689,-7.554 -53.833,-7.41 -53.833,7.892 -51.278,10.448 v2(-51.278,11.306) ; v1(-0.348,15.585) -0.262,15.499 -0.06,15.499 -0.035,15.474 5.821,15.474 v1(6.386,16.04)
S\P\I\_\S\L\A\V\E\_\S\S\E\L\_1: D9.182 U7.5 | length 139.6
  Top Layer, Top w0.15: v1(-60.004,-10.401) -59.97,-10.367 -59.357,-10.367 v1(-55.912,-6.922) ; v1(-58.452,-22.143) -58.452,-22.197 -57.65,-23 D9.182@-56,-23 ; v2(-54.677,10.762) -53.719,10.762 -53.107,10.15 0.973,10.15 10.829,0.294 10.829,-22.274 9.102,-24 U7.5@3.35,-24
  Bottom Layer, Bottom w0.15: v1(-60.004,-10.401) -60.052,-10.449 -60.052,-11.208 -59.919,-11.341 -59.919,-19.955 -58.452,-21.421 v1(-58.452,-22.143) ; v1(-55.912,-6.922) -55.333,-6.343 -55.333,10.04 -54.677,10.696 v2(-54.677,10.762)
S\T\A\T\U\S\_1: D9.52 D17.12 R65.1 | length 118.9
  Top Layer, Top w0.15: D9.52@-28.25,-38.25 -28.25,-39.435 -27.983,-39.701 v1(-26.046,-39.701) ; R65.1@-23.453,0 -23.452,-1.373 -23.002,-1.823 -21.737,-1.823 v1(-21.702,-1.858) ; v2(-20.698,12.197) -18.034,14.861 -3.605,14.861 -1.427,17.039 -1.427,17.723 -1.652,17.948 -1.652,28.214 -1.165,28.702 -1.165,29.261 -1.611,29.708 v1(-1.717,29.708) ; v1(-20.661,-27.182) -20.661,-30.867 -18.395,-33.133 -18.395,-38.678 v1(-17.74,-39.333) ; v1(11.331,28.869) 11.331,30.554 D17.12@11.352,30.575
  Bottom Layer, Bottom w0.15: v1(-26.046,-39.701) -18.22,-39.701 -17.852,-39.333 v1(-17.74,-39.333) ; v2(-20.698,12.197) -21.399,11.495 -21.399,-0.626 -21.42,-0.646 -21.42,-1.071 -21.702,-1.353 -21.702,-1.922 -21.454,-2.171 -21.454,-2.522 -21.454,-3.308 -21.679,-3.533 -21.679,-4.011 -21.454,-4.236 -21.454,-5.47 -21.451,-5.473 -21.451,-25.883 -20.661,-26.673 v1(-20.661,-27.182) ; v1(-1.717,29.708) -1.683,29.708 -1.329,29.353 -0.481,29.353 -0.293,29.541 10.659,29.541 v1(11.331,28.869)
S\T\E\P\_5: D12.6 X10.20 | length 10.3
  Top Layer, Top w0.15: X10.20@-41.995,-81.87 -37.25,-77.125 -35.475,-77.125 -35.05,-76.7 -35.05,-75.56 D12.6@-35.01,-75.52
SD0_MISO_12: CD1.7 R81.1 U7.97 | length 123.6
  Top Layer, Top w0.15: v1(-16,68.5) -16.41,68.09 ccw(c-16.304,67.984) -16.454,67.984 CD1.7@-16.454,66.627 -16.454,65.376 -15.748,64.67 -14.206,64.67 -5.897,56.361 -5.897,41.664 1.129,34.638 1.129,10.842 11.458,0.513 11.458,-23.492 4.455,-30.495 0.649,-30.495 0.25,-30.097 U7.97@0.25,-27.6
  Bottom Layer, Bottom w0.15: v1(-16,68.5) cw(c-15.85,68.492) -15.957,68.598 -15.7,68.855 ccw(c-15.806,68.961) -15.656,68.961 -15.656,69.696 R81.1@-15,70.25
SD0_MOSI_12: CD1.3 U7.95 | length 119
  Top Layer, Top w0.15: CD1.3@-12.004,66.637 -12.004,63.378 ccw(c-11.854,63.378) -11.96,63.273 -5.297,56.61 -5.297,41.913 1.729,34.886 1.729,11.09 12.058,0.762 12.058,-23.741 4.703,-31.095 0.4,-31.095 -0.75,-29.945 U7.95@-0.75,-27.6
SD0_SCLK_12: CD1.5 U7.96 | length 118.7
  Top Layer, Top w0.15: CD1.5@-14.254,66.627 -14.254,65.204 ccw(c-14.104,65.204) -14.21,65.098 -10.72,61.608 -5.597,56.486 -5.597,41.789 1.429,34.762 1.429,10.966 11.758,0.638 11.758,-23.616 4.579,-30.795 0.524,-30.795 -0.25,-30.021 U7.96@-0.25,-27.6